# Altium PCB MB1849_LP.PcbDoc (part 1 of 2)
Units mm, origin at the board's own origin, x right, y up, seen from the top; angles counter-clockwise.
Board outline 61.52 x 35 mm, 4 copper layers (Top Layer, MidLayer 1, MidLayer 2, Bottom Layer), stack 1.066 mm thick; 67 components, 66 nets, 252 pads, 1012 vias.
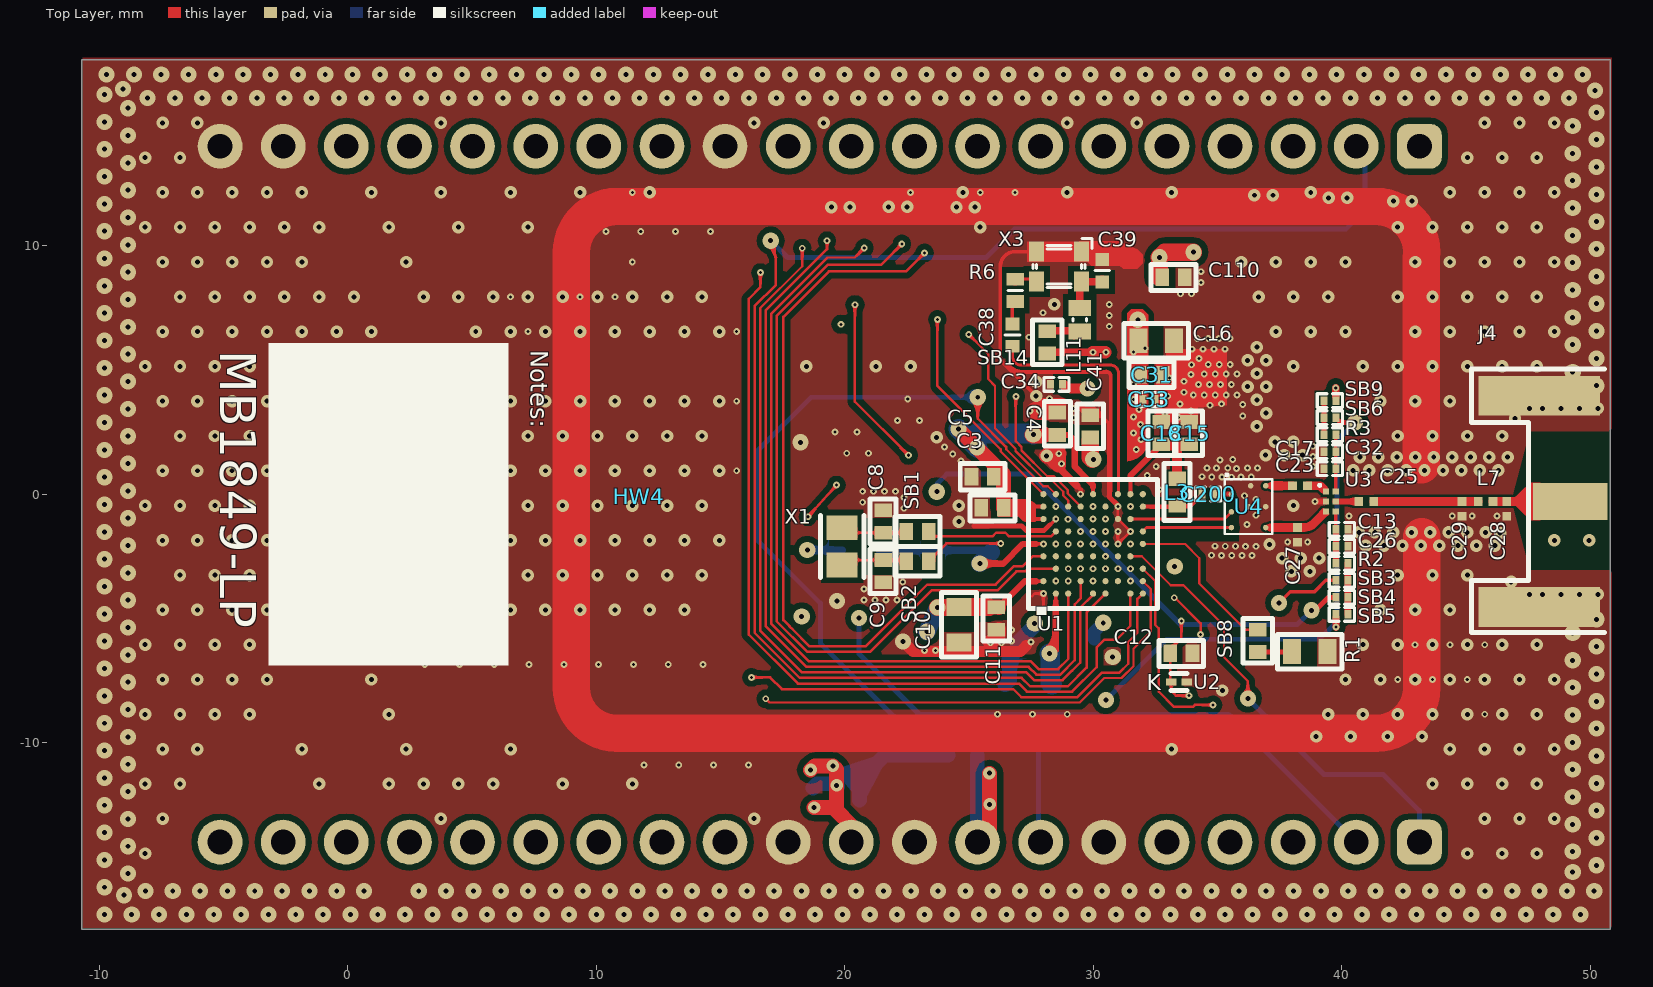
[diagram p0: Top Layer view]
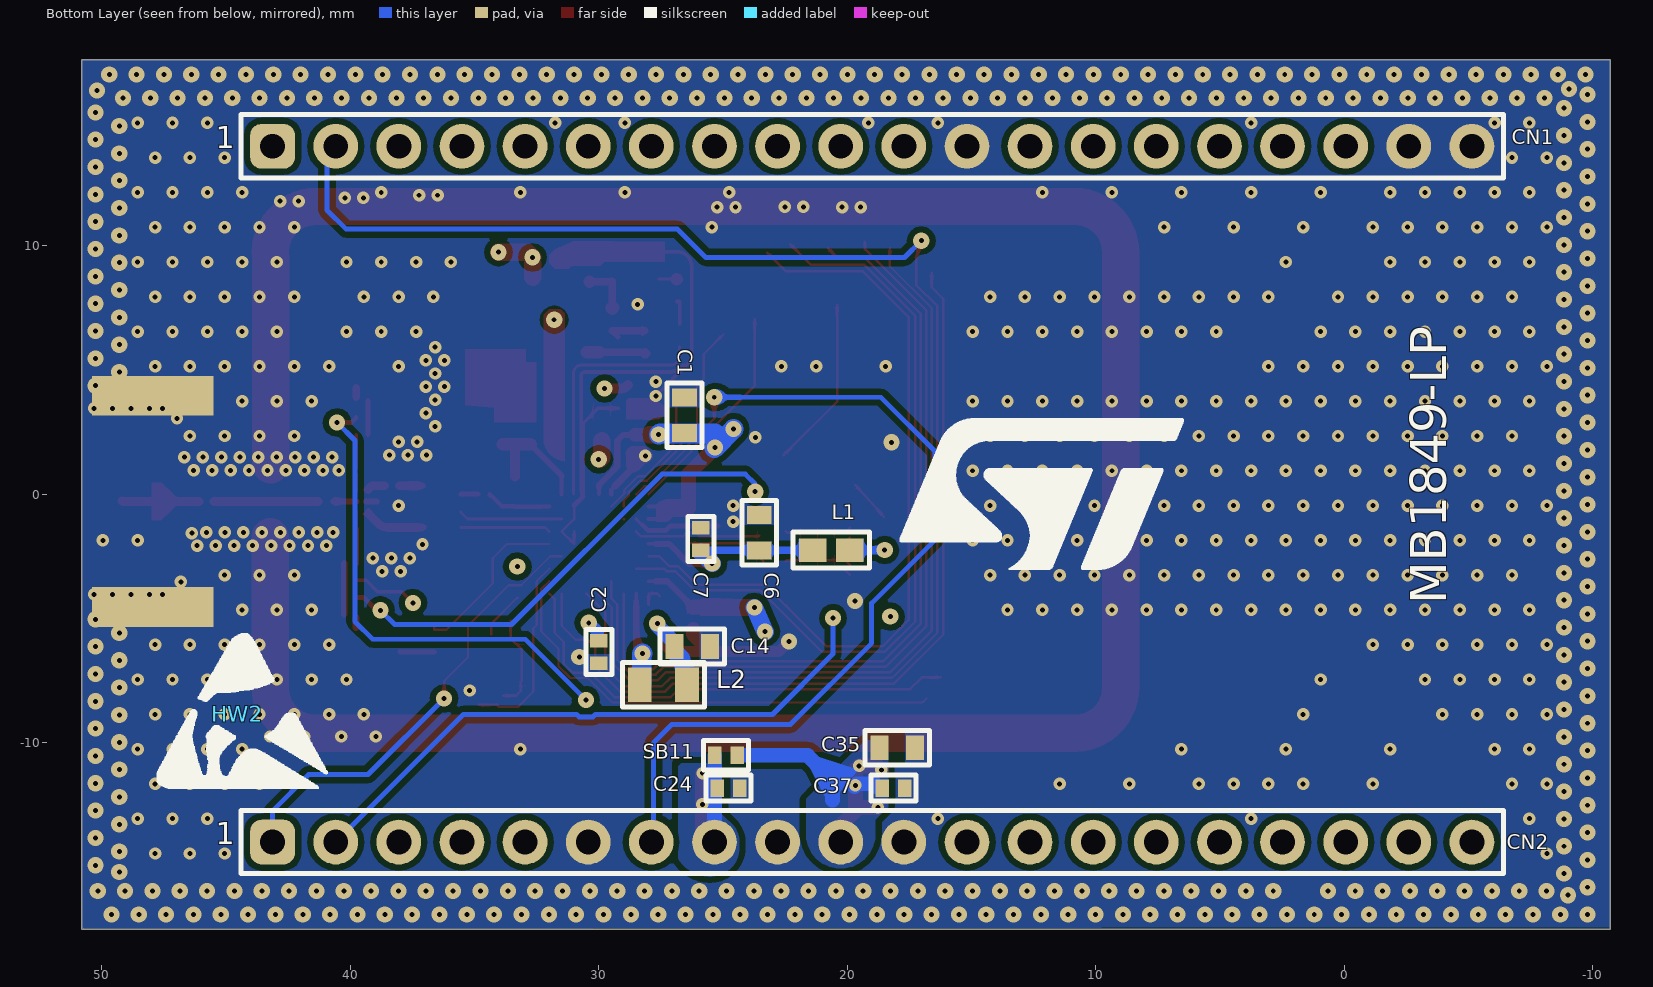
[diagram p1: Bottom Layer view, seen from below]
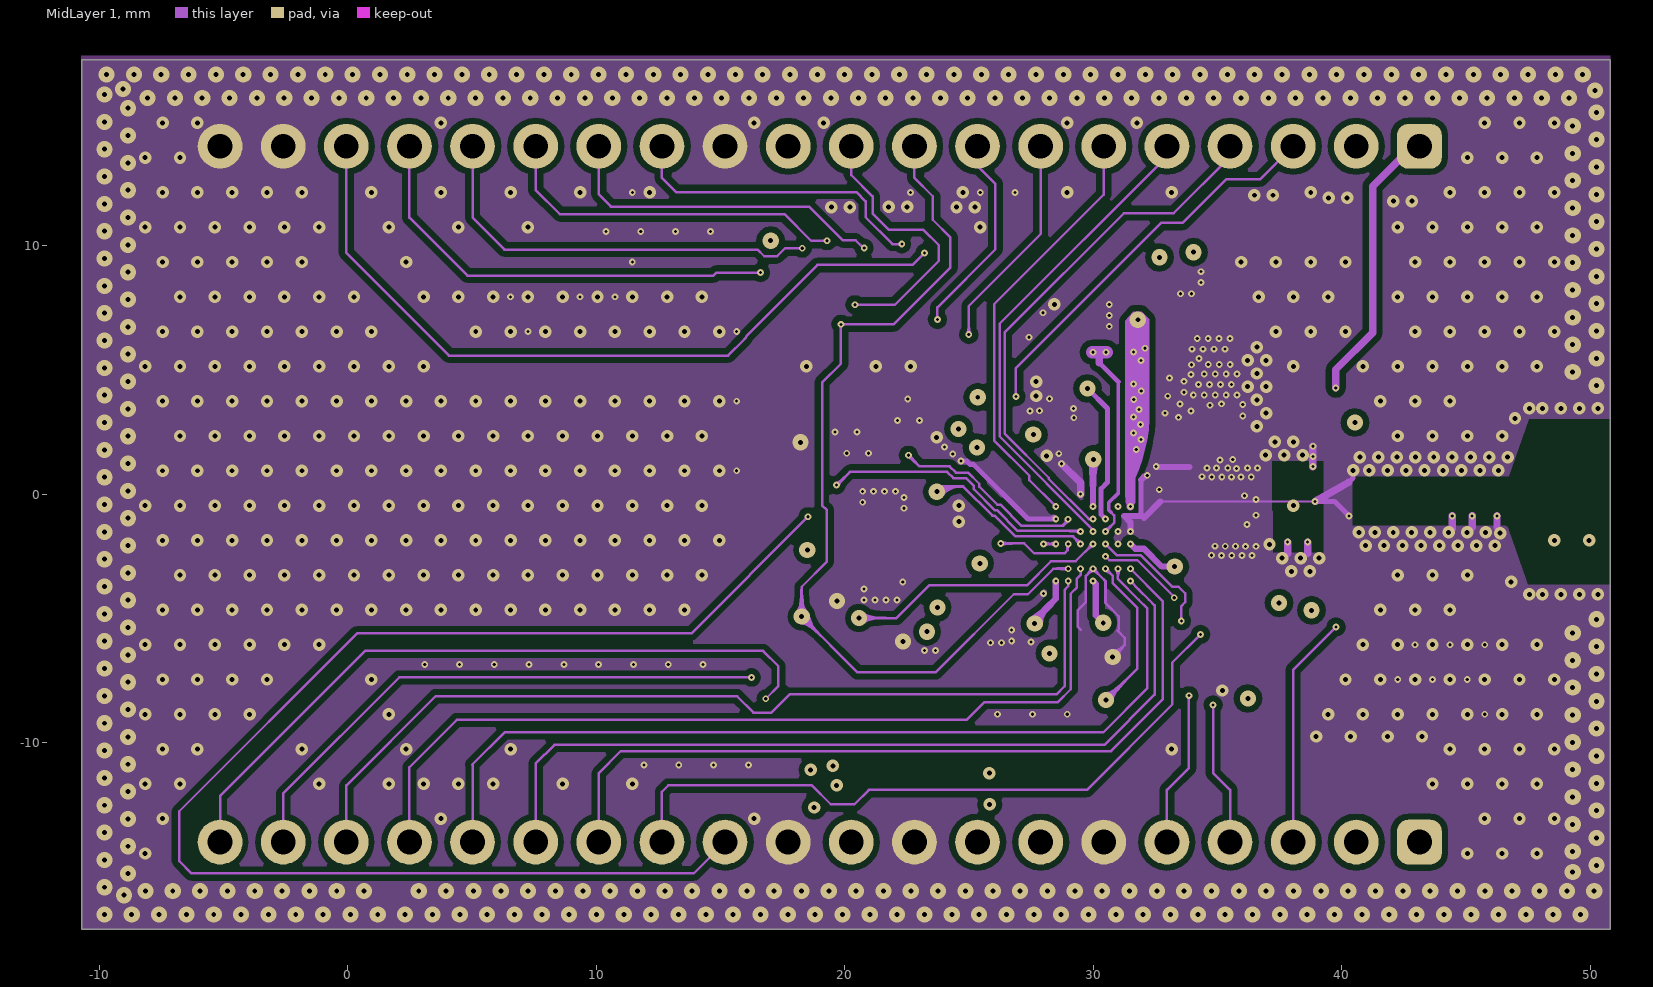
[diagram p2: MidLayer 1]
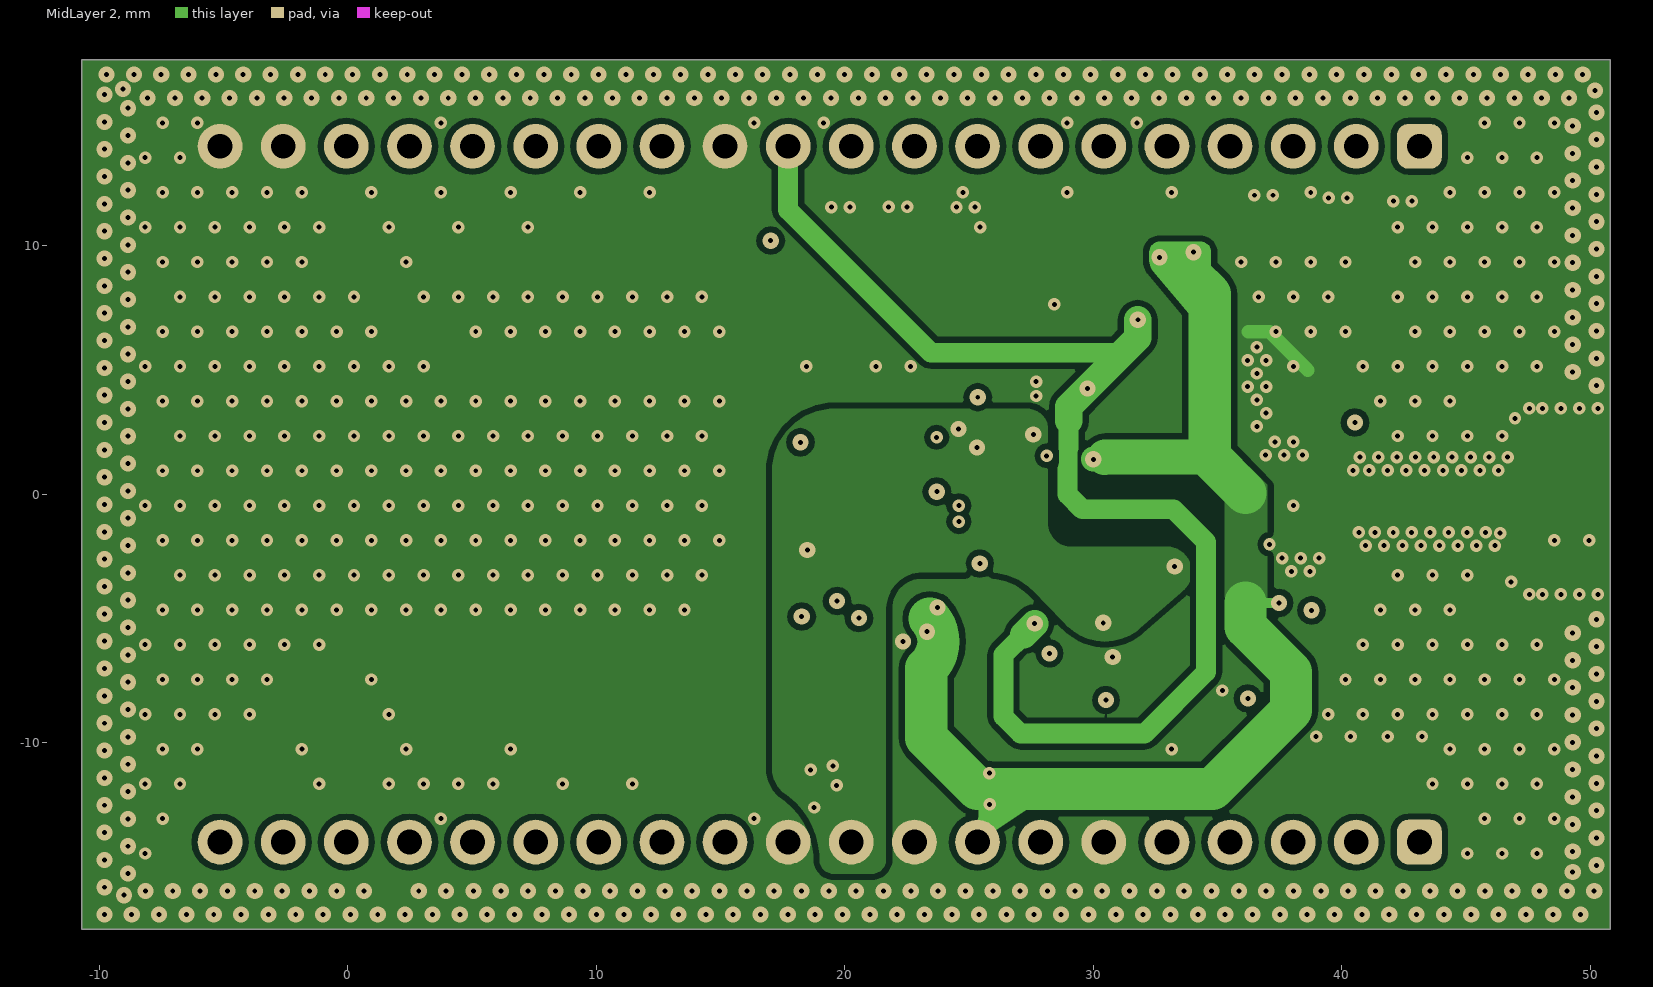
[diagram p3: MidLayer 2]
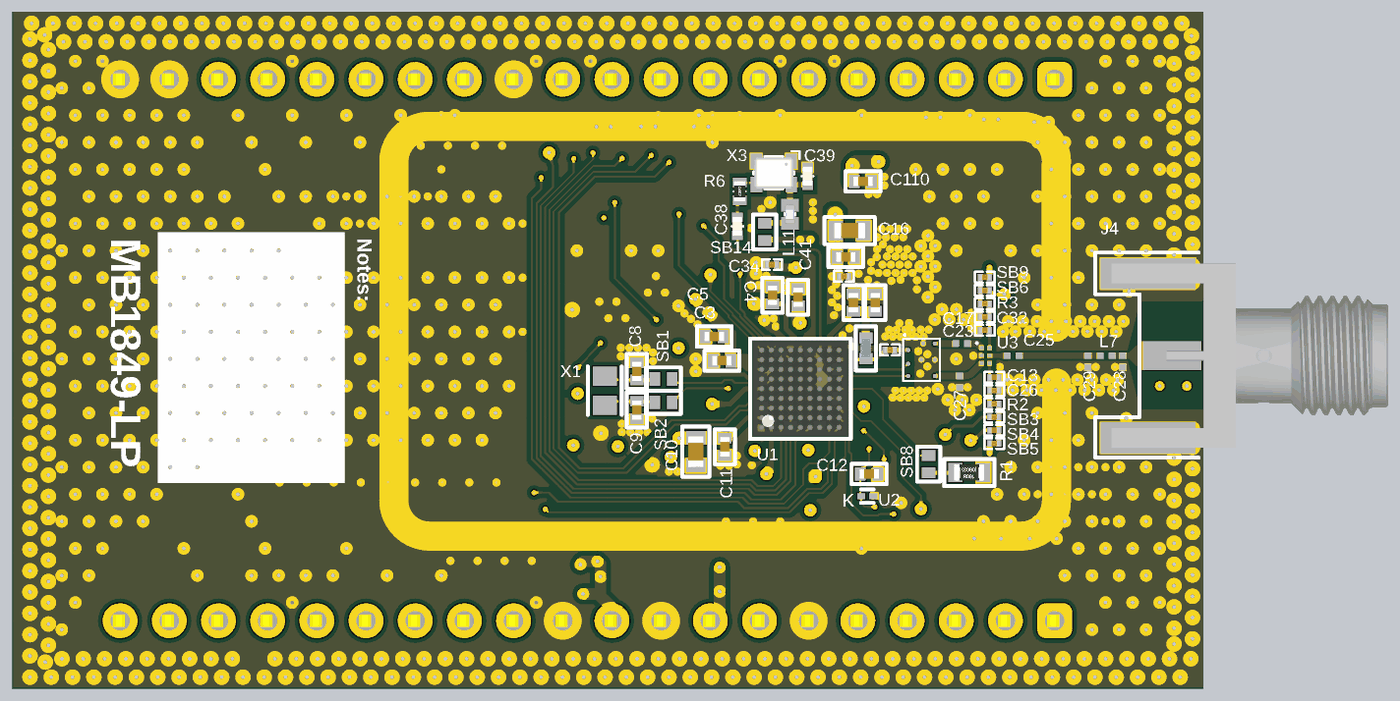
[diagram p5: 3D render of the assembled board from above, using the file's embedded part models]
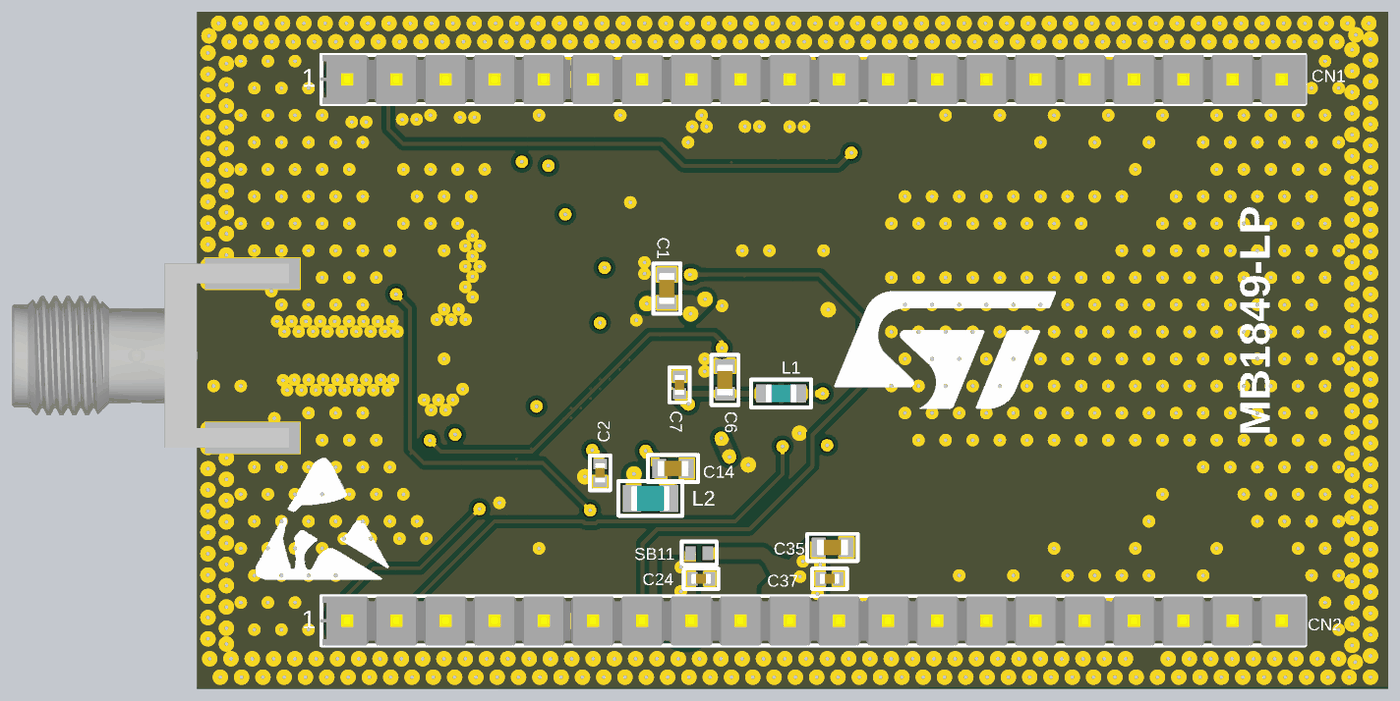
[diagram p6: 3D render of the assembled board from below, using the file's embedded part models]

## Layer stack, top to bottom
Top Solder: solder mask 0.002, Solder Resist, Dk 3.7
Top Layer: signal copper 0.035
Dielectric 1: prepreg 0.108, 1 x 2116, Dk 3.8
MidLayer 1: signal copper 0.035
Dielectric 2: core 0.71, FR4, Dk 5
MidLayer 2: signal copper 0.035
Dielectric 3: prepreg 0.108, 1 x 2116, Dk 3.8
Bottom Layer: signal copper 0.035
Bottom Solder: solder mask 0.002, Solder Resist, Dk 3.7

## Board outline
-10.704,-17.511 -10.704,17.489 50.818,17.489 50.818,-17.511

## Design rules (kind name [scope] priority, off if disabled: settings)
BoardOutlineClearance [All] p1 off: gap=0.6 ignorepadtopadclearanceinfootprint=FALSE
Clearance Clearance_RF_Polygon [InNetClass('50ohm') vs InPolygon] p1: gap=0.1 ignorepadtopadclearanceinfootprint=FALSE except(0: Arc-Hole Track-Hole SMDPad-Hole THPad-Hole Via-Hole Fill-Hole Poly-Hole Region-Hole Text-Hole; 0.095: Arc-Fill Arc-Poly Arc-Region Track-Fill Track-Poly Track-Region)
Clearance Clearance_1 [OnLayer('MIDLAYER_1_GND_P054')       and InPolygon vs WithinRoom('RoomDefinition_BGA')] p2: gap=0.15 ignorepadtopadclearanceinfootprint=FALSE except(0: Arc-Hole Track-Hole SMDPad-Hole THPad-Hole Via-Hole Fill-Hole Poly-Hole Region-Hole Text-Hole)
Clearance Clearance_tab [(ObjectKind = 'Pad') And (Name Like 'Tab*-*') vs OnLayer('Keep-Out Layer')] p3: gap=0 ignorepadtopadclearanceinfootprint=FALSE
Clearance Clearance_Via_BGA [TouchesRoom('RoomDefinition_BGA') vs isvia or ispad or istrack] p4: gap=0.24 ignorepadtopadclearanceinfootprint=FALSE except(0: Arc-Hole Track-Hole SMDPad-Hole THPad-Hole Via-Hole Fill-Hole Poly-Hole Region-Hole Text-Hole; 0.085: Arc-Arc Arc-SMDPad Arc-THPad Arc-Text Track-SMDPad Track-THPad Track-Text SMDPad-SMDPad SMDPad-THPad SMDPad-Text THPad-THPad THPad-Text Via-Text Text-Text; 0.09: Track-Track Track-Via; 0.1: Track-Poly Track-Region; 0.11: Arc-Via SMDPad-Via THPad-Via Via-Via; 0.12: Arc-Track; 0.15: Arc-Region SMDPad-Region THPad-Region Via-Region Region-Region)
Clearance Clearance_Via_BGA_Inner [TouchesRoom('RoomDefinition_BGA') and (OnLayer('MIDLAYER_1_GND_P054')) vs isvia or ispad or istrack] p5: gap=0.25 ignorepadtopadclearanceinfootprint=FALSE except(0: Arc-Hole Track-Hole SMDPad-Hole THPad-Hole Via-Hole Fill-Hole Poly-Hole Region-Hole Text-Hole; 0.075: Track-Via; 0.085: Arc-Arc Arc-SMDPad Arc-THPad Arc-Text Track-SMDPad Track-THPad Track-Text SMDPad-SMDPad SMDPad-THPad SMDPad-Text THPad-THPad THPad-Text Via-Text Text-Text; 0.09: Track-Track; 0.11: Arc-Via SMDPad-Via THPad-Via Via-Via; 0.12: Arc-Track; 0.15: Arc-Region Track-Region SMDPad-Region THPad-Region Via-Region Region-Region)
Clearance Clearance_via_to_via [(ObjectKind = 'Via') And (Net <> 'GND') vs (ObjectKind = 'Via') And (Net <> 'GND')] p6: gap=0.65 ignorepadtopadclearanceinfootprint=FALSE except(0: Arc-Hole Track-Hole SMDPad-Hole THPad-Hole Via-Hole Fill-Hole Poly-Hole Region-Hole Text-Hole)
Clearance "Clearance_Polygon to All" [InPolygon] p7: gap=0.24 ignorepadtopadclearanceinfootprint=FALSE except(0: Arc-Hole Track-Hole SMDPad-Hole THPad-Hole Via-Hole Fill-Hole Poly-Hole Region-Hole Text-Hole)
Clearance [All] p8: gap=0.12 ignorepadtopadclearanceinfootprint=FALSE except(0: Arc-Hole Track-Hole SMDPad-Hole THPad-Hole Via-Hole Fill-Hole Poly-Hole Region-Hole Text-Hole; 0.25: Arc-Via Track-Via SMDPad-Via THPad-Via Via-Fill Via-Poly Via-Region)
ComponentClearance [All] p1: gap=0 collisioncheckmode=3 verticalgap=0.1 showdistances=FALSE
DiffPairsRouting [InDifferentialPair('RFI')] p1: maxlimit=0.12 minlimit=0.111 mostfreqgap=0.12 toplayer_mingap=0.12 toplayer_minwidth=0.105 toplayer_maxwidth=0.145 toplayer_prefwidth=0.105 midlayer1_minwidth=0.1 midlayer1_maxwidth=0.145 midlayer1_prefwidth=0.105 midlayer2_minwidth=0.1 midlayer2_maxwidth=0.145 midlayer2_prefwidth=0.105 bottomlayer_minwidth=0.1 bottomlayer_maxwidth=0.145 bottomlayer_prefwidth=0.105 maxuncoupledlength=12.7
HoleSize [All] p1: absolutevalues=TRUE maxlimit=10 minlimit=0.01 maxpercent=80.000 minpercent=20.000
HoleToHoleClearance [All] p1 off: gap=0.254 allowstackedmicrovias=TRUE
MaximumViaCount [All] p1: limit=3
MinimumSolderMaskSliver [All] p1: minsoldermaskwidth=0.1
PlaneConnect [All] p1: planeconnectstyle=Direct reliefexpansion=0.508 reliefentries=4 reliefconductorwidth=0.21 reliefairgap=0.21
PolygonConnect PolygonConnect_All [All] p1: connectstyle=Direct reliefconductorwidth=0.25 reliefentries=4 polygonreliefangle="90 Angle" airgapwidth=0.25
RoomDefinition RoomDefinition_BGA [False] p1: confinementstyle=ConfineIn formatcopy=TRUE lockcomponents=FALSE outline 27.671,0.75 32.622,0.75 32.622,-4.247 27.671,-4.247
RoutingLayers "RoutingLayers_90 Ohms" [InDifferentialPairClass('All Differential Pairs')] p1: top layer_v5=TRUE mid layer 1_v5=TRUE mid layer 2_v5=TRUE bottom layer_v5=TRUE
RoutingLayers [All] p2: top layer_v5=TRUE mid layer 1_v5=TRUE mid layer 2_v5=TRUE bottom layer_v5=TRUE
RoutingVias RoutingVias_BGA [InDrillLayerPair('Top Layer - MidLayer 1')] p1: holewidth=0.125 width=0.25 viastyle="Through Hole" minholewidth=0.125 minwidth=0.23 maxholewidth=0.125 maxwidth=0.3
RoutingVias [All] p2: holewidth=0.2 width=0.65 viastyle="Through Hole" minholewidth=0.1 minwidth=0.2 maxholewidth=0.2 maxwidth=0.65
ShortCircuit [(ObjectKind = 'Via') And (DrillPair = 'Top Layer - MidLayer 1') vs Ispad] p1: allowed=TRUE
SilkToSilkClearance [All] p1: silktosilkclearance=0.2
SilkToSolderMaskClearance [IsPad] p1: minsilkscreentomaskgap=0.2 clearancetoexposedcopper=TRUE
SolderMaskExpansion SolderMaskExpansion_VIA [IsVia] p1: expansion=-0.2 istentingtop=FALSE
SolderMaskExpansion [All] p2: expansion=0.075 istentingtop=FALSE
Width Width_50Ohms [InNetClass('50Ohms')] p1: maxlimit=0.6 minlimit=0.161 preferedwidth=0.582
Width [All] p2: maxlimit=2 minlimit=0.075 preferedwidth=0.15 toplayer_minwidth=0.08 toplayer_maxwidth=1.5 midlayer1_maxwidth=1 midlayer2_minwidth=0.1 bottomlayer_minwidth=0.1 bottomlayer_maxwidth=1.5 minimp=50.000000 maximp=50.000000 favimp=50.000000
20 further rules are at their usual default settings.

## Classes and differential pairs
differential pair class RFI: RFI
net class 50ohm: NetC15_2 NetC17_1 NetC17_2 NetC25_1 NetC25_2 NetC27_2 NetC28_1 NetC200_1 NetC200_2
component class STM32WL_BGA73_RefBoard_TCXO_IPD_ST: C1 C2 C3 C4 C5 C6 C7 C8 C9 C10 C11 C12 C13 C14 C15 C16 C17 C18 C23 C24 C25 C26 C27 C28 C29 C31 C32 C33 C34 C35 C37 C38 C39 C41 C110 CN1 CN2 J4 L1 L2 L3 L7 L11 R1 R2 R3 R6 "RF BoM1" SB1 SB2 SB3 SB4 SB5 SB6 SB8 SB9 SB11 SB14 U1 U2 U3 X1 X3
differential pair RFI: +RFI_P -RFI_N

## Components (designator, comment, footprint, x,y, rotation, side; value= is the part's Value field where it differs from the comment)
C1 "" CAPC1608X09N 26.552,3.181 r270 bottom
C2 "" CAPC1005X06N 30,-6.35 r90 bottom
C3 "" CAPC1005X06N 25.95,-0.55 r0 top
C4 "" CAPC1005X06N 28.559,2.834 r270 top
C5 "" CAPC1005X06N 25.554,0.7 r0 top
C6 "" CAPC1608X09N 23.55,-1.55 r90 bottom
C7 "" CAPC1005X06N 25.9,-1.8 r90 bottom
C8 "Capacitor" CAPC1005X06N 21.55,-1.1 r90 top
C9 "Capacitor" CAPC1005X06N 21.55,-3.1 r270 top
C10 "" CAPC1608X09N 24.604,-5.255 r270 top
C11 "" CAPC1005X06N 26.104,-5.002 r270 top
C12 "" CAPC1005X06N 33.55,-6.407 r0 top
C13 "MCD-00198" 0201 39.771,-1.413 r0 top
C14 "" CAPC1608X09N 26.237,-6.125 r180 bottom
C15 "" CAPC1005X06N 33.869,2.455 r270 top
C16 "" CAPC1608X09N 32.546,6.174 r0 top
C17 "RFCapacitor_201" rlc_201_smd 38.328,0.34 r180 top
C18 "" CAPC1005X06N 32.741,2.455 r90 top
C23 "MCD-00198" 0201 39.289,1.027 r0 top
C24 "" CAPC1005X06N 24.789,-11.83 r180 bottom
C25 "RFCapacitor_201" rlc_201_smd 40.992,-0.291 r0 top
C26 "MCD-00102" 0201 39.771,-2.097 r0 top
C27 "NC" rlc_201_smd 38.224,-1.64 r90 top
C28 "RFCapacitor_201" rlc_201_smd 46.646,-0.592 r270 top
C29 "RFCapacitor_201" rlc_201_smd 44.844,-0.591 r270 top
C31 "" CAPC1005X06N 32.351,4.81 r0 top
C32 "MCD-00102" 0201 39.769,1.713 r180 top
C33 "" 0201 32.484,3.811 r180 top
C34 "" 0201 28.286,4.419 r0 top
C35 "" CAPC1608X09N 17.999,-10.204 r180 bottom
C37 "" CAPC1005X06N 18.146,-11.83 r180 bottom
C38 "Capacitor" C0402 26.751,6.399 r270 top
C39 "" C0402 30.369,8.991 r270 top
C41 "" CAPC1005X06N 29.885,2.73 r90 top
C110 "" CAPC1005X06N 33.239,8.726 r0 top
C200 "MCD-00198" 0201 34.866,0.004 r180 top
CN1 "CON20" CO_SAMTEC_TSW-120-07-X-S 19,14 r180 bottom locked
CN2 "CON20" CO_SAMTEC_TSW-120-07-X-S 19,-14 r180 bottom locked
Designator16 "Comment" IMPEDANCE_TABLE 87.541,-49.167 r0 top
HW2 "Logo" LOGO_MAIN 44.555,-8.832 r180 bottom
HW4 "Logo" LOGO_ST 11.715,-0.102 r180 top
J4 "Amphenol_132430" SMA_AMPHENOL_50OHMS_EDGE_PCB 50.7,-0.292 r90 top
L1 "" INDC1608X95N 20.65,-2.25 r0 bottom
L2 "" INDC2012X13N 27.401,-7.668 r0 bottom
L3 "" IND_MURATA_LQW15A 33.38,0.086 r90 top
L7 "Ferrite" rlc_201_smd 45.796,-0.292 r0 top
L11 "" IND_0402_MURATA_BLM15H_H0P5 29.463,7.019 r270 top
R1 "" RESC1608X05N 38.725,-6.337 r180 top
R2 "MCD-00119" 0201 39.771,-2.781 r0 top
R3 "MCD-00119" 0201 39.769,2.397 r180 top
R6 "Resistor" R0402 26.866,8.204 r270 top
SB1 "Close" SB_0402 22.931,-1.5 r180 top
SB2 "Close" SB_0402 22.931,-2.7 r180 top
SB3 "Close" 0201 39.771,-3.465 r0 top
SB4 "Open" 0201 39.771,-4.15 r0 top
SB5 "Open" 0201 39.771,-4.834 r0 top
SB6 "Close" 0201 39.769,3.081 r180 top
SB8 "Close" SB_0402 36.624,-5.901 r90 top
SB9 "Open" 0201 39.769,3.765 r180 top
SB11 "Open" SB_0402 24.889,-10.504 r180 bottom
SB14 "Close" SB_0402 28.157,6.11 r270 top
U1 "" BGA73C50P9X9_500X500X60 30,-2 r90 top locked
U2 "" DIOM0603X03N 33.456,-7.557 r0 top
U3 "BGS12SN6" TSNP-6-2 39.569,-0.291 r0 top
U4 "IPD STM STM32WL" "IPD STM" 36.257,-0.502 r180 top
X1 "XTAL_2_PINS" OSC_NDK_NX2012SA 19.9,-2.1 r90 top
X3 "" CRY_NDK_NT2016SB_4P 28.629,9.16 r180 top
